# KiCad board processor.Z80.kicad_pcb (continued)
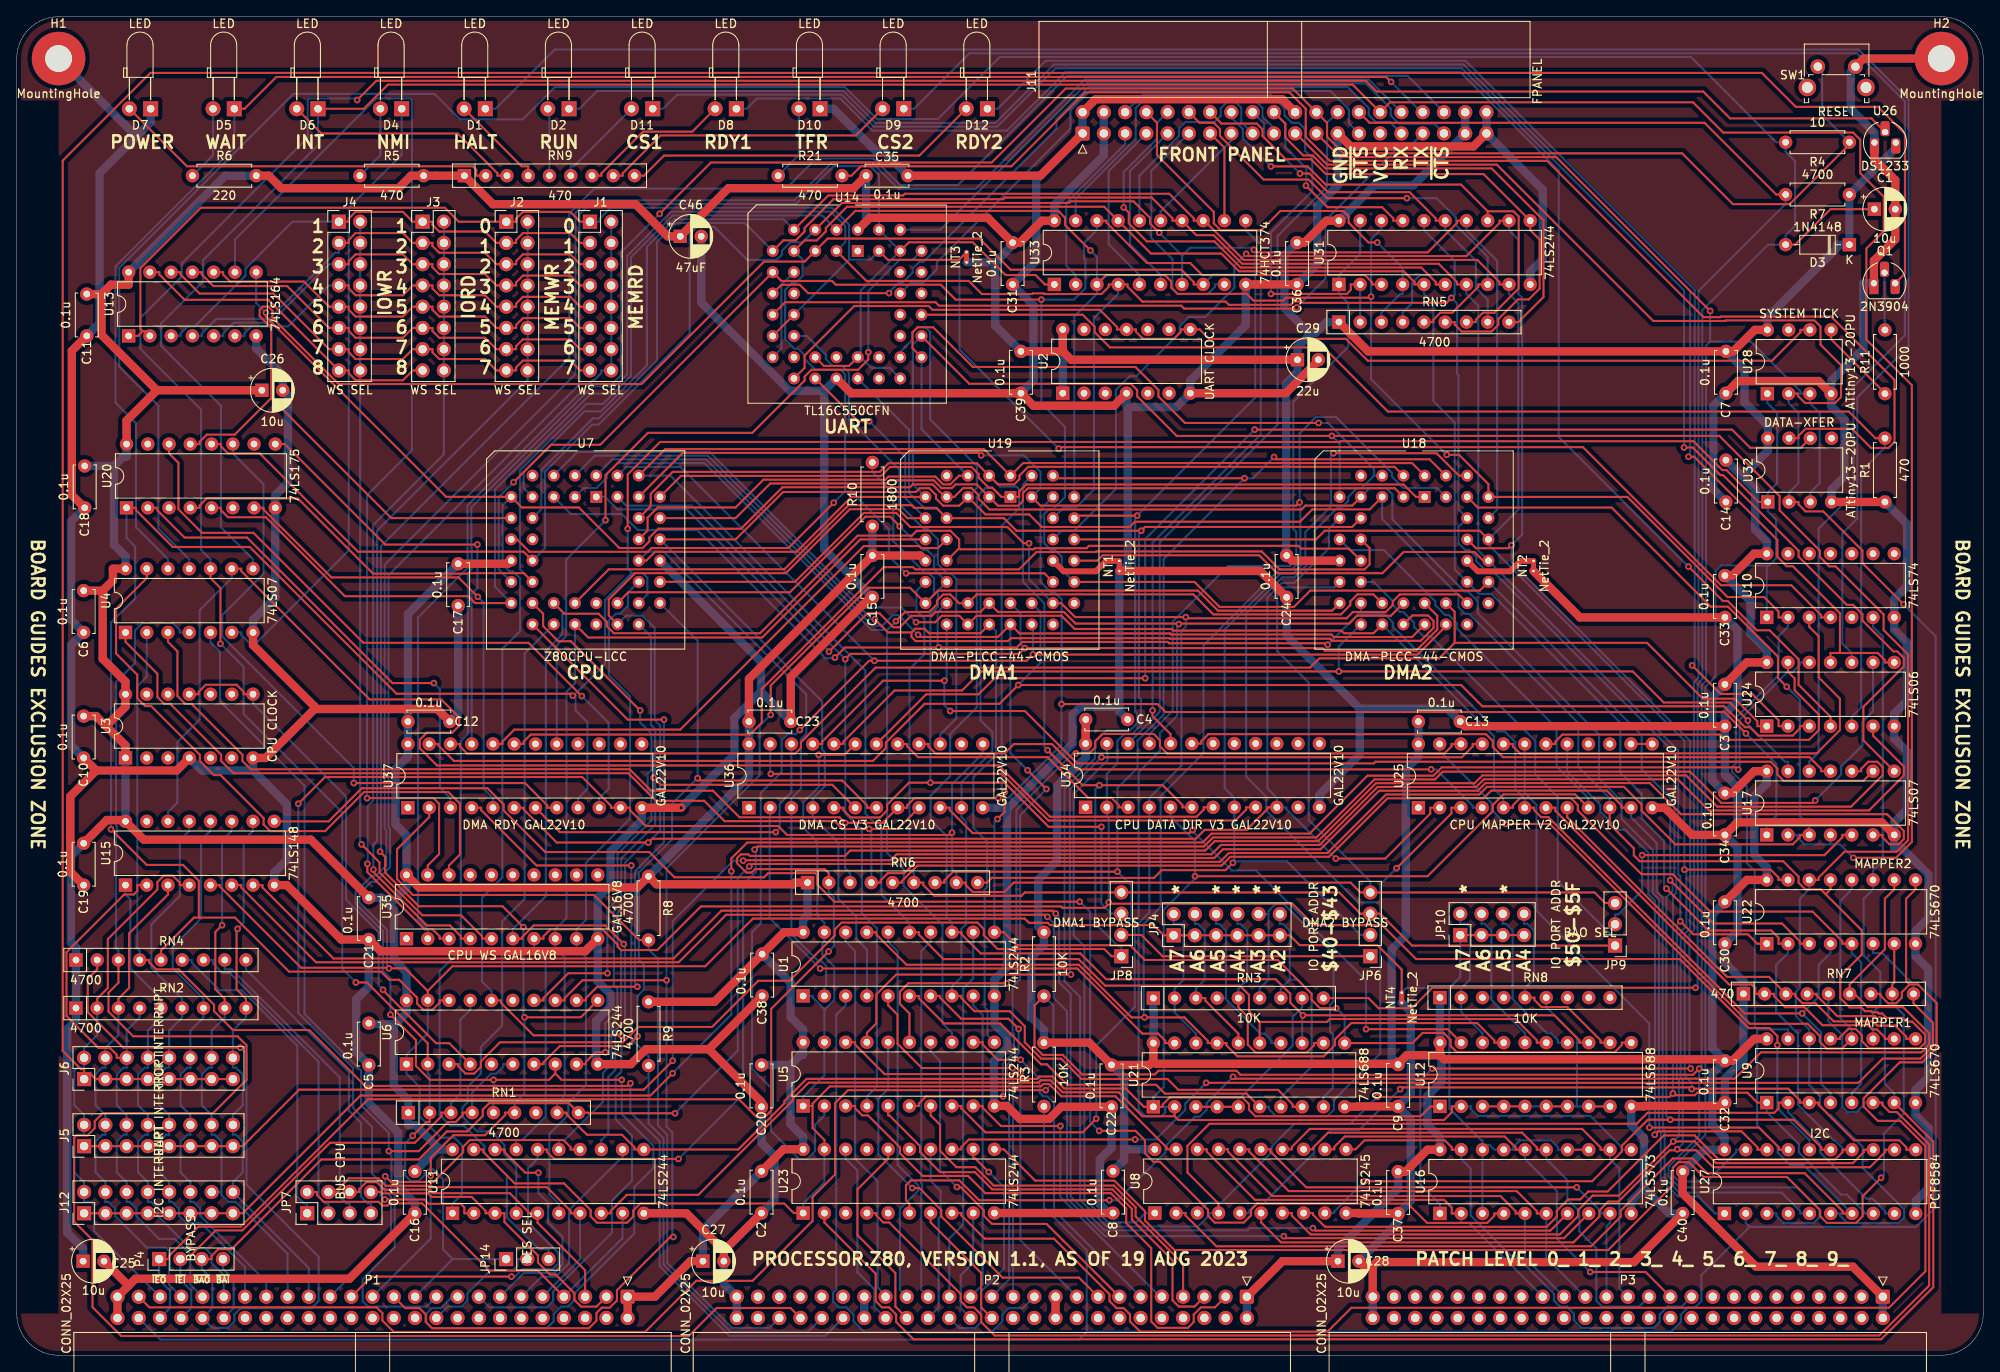
[diagram p0: board, top side]
## Nets (continued)
DMA-RDY2: U18.27 U24.1 U37.22
FP-LATCH-WR: U33.11 U34.20
I2C-SCL: J11.23 P1.47 R2.1 U27.3 U28.3 U32.3
I2C-SDA: J11.21 P1.48 R3.1 U27.2 U28.2 U32.2
IM2-S0: U15.9 U16.4
IM2-S1: U15.7 U16.7
IM2-S2: U15.6 U16.8
INT: R1.2 U14.33 U24.5
INT-I2C: U24.13 U25.18
IO-SEL: U34.3 U36.17
mA14: RN7.2 U9.10 U25.7
mA15: RN7.3 U9.9 U25.8
mA16: RN7.4 U9.7 U23.2
mA17: RN7.5 U9.6 U23.4
mA18: RN7.6 U22.10 U23.6
mA19: RN7.7 U22.9 U23.8
mA20: RN7.8 U22.7 U23.11
mA21: RN7.9 U22.6 U23.13
ONE: J1.1 J2.1 NT3.2 U10.4 U13.1 U13.2 U14.14 U14.15 U14.43
RAW-CLK: U3.8 U3.11 U6.4
RDY-Q0: U20.2 U37.3
RDY-Q1: U20.7 U37.5
READY: U4.13 U35.18
RESET: U14.39 U37.17
RX: J11.31 U14.11
SEL-A14: U5.15 U25.22
SEL-A15: U5.17 U25.21
TX: J11.33 U14.13
UART-CLK: U2.8 U2.11 U14.18 U28.6
WS-IORD: J3.2 J3.4 J3.6 J3.8 J3.10 J3.12 J3.14 J3.16 U35.3
WS-IOWR: J4.2 J4.4 J4.6 J4.8 J4.10 J4.12 J4.14 J4.16 U35.5
WS-MEMRD: J1.2 J1.4 J1.6 J1.8 J1.10 J1.12 J1.14 J1.16 U35.2
WS-MEMWR: J2.2 J2.4 J2.6 J2.8 J2.10 J2.12 J2.14 J2.16 U35.4
ZERO: JP4.1 JP4.3 JP4.5 JP4.7 JP4.9 JP4.11 JP10.1 JP10.3 JP10.5 JP10.7 NT4.2 U6.1 U6.19 U11.1 U14.21 U14.25 U14.28 U14.41 U14.42 U15.5 U16.3 U16.13 U16.14 U16.17 U16.18 U33.1
~{BAI}: P1.40 P4.4
~{BAO}: P1.42 P4.3 RN1.9 RN4.2 U17.6
~{BUS-EN}: U1.1 U1.19 U5.1 U5.19 U8.19 U11.19 U23.1 U23.19 U36.19
~{BUSACK}: P1.13 U11.18
~{BUSRQ}: P1.23 R10.2 U6.13 U18.17 U19.17
~{CE-DMA-RDY}: U36.22 U37.7
~{CPU-BUSACK}: JP8.3 U7.27 U19.16 U36.5
~{CPU-BUSRQ}: U6.7 U7.29 U36.7
~{CPU-HALT}: U7.20 U11.4
~{CPU-INT}: U6.12 U7.18
~{CPU-IORQ}: RN1.8 U7.22 U11.11 U12.1 U18.11 U19.11 U21.1 U25.9 U34.5 U35.8
~{CPU-M1}: U7.31 U11.8 U12.2 U16.11 U18.30 U19.30 U21.2 U34.4
~{CPU-MREQ}: U7.21 U11.13 U18.14 U19.14 U35.6
~{CPU-NMI}: U6.14 U7.19
~{CPU-RD}: U7.23 U11.17 U14.24 U18.10 U19.10 U27.16 U34.2 U35.7
~{CPU-RESET}: RN4.5 U6.18 U7.30 U10.1 U20.1 U27.19 U28.1 U32.1 U37.9
~{CPU-RFSH}: U7.32 U11.6 U35.9
~{CPU-WAIT}: U6.9 U7.28 U36.6
~{CPU-WR}: U7.26 U11.15 U14.20 U18.9 U19.9 U25.2 U34.10 U37.6
~{CS-I2C-WR}: U25.17 U27.18
~{CS-I2C}: U25.19 U27.17
~{CS-IO}: U12.19 U36.10
~{CS-MAP}: U25.4 U36.16
~{CS-UART}: U14.16 U36.15
~{CTS}: J11.35 U14.40
~{DMA-ADDR}: U21.19 U36.2
~{DMA-BAO1}: JP6.3 JP8.4 JP9.1 RN6.6 U18.16 U19.15
~{DMA-BAO2}: JP6.4 JP9.3 RN6.8 U11.2 U18.15 U36.13 U37.11
~{DMA-CS1}: U17.9 U19.18 U36.21
~{DMA-CS2}: U17.13 U18.18 U36.20
~{DMA-IEI1}: JP8.1 U6.3 U19.42 U34.6
~{DMA-IEO1}: JP6.1 JP8.2 RN6.7 U18.42 U19.40
~{DMA-IEO2}: JP6.2 RN6.9 U18.40 U34.8
~{DMA-INT-PULSE1}: RN6.3 U4.3 U17.1 U19.41 U36.8
~{DMA-INT-PULSE2}: RN6.4 U4.1 U17.3 U18.41 U36.9
~{DMA-RDY-WR}: U20.9 U37.21
~{DMA-RESET1}: U19.12 U37.20
~{DMA-RESET2}: U18.12 U37.19
~{DREQ0}: P2.46 R8.2 U37.2
~{DREQ1}: P2.42 R9.2 U37.4
~{EIRQ0}: J5.2 J6.2 J12.2 P1.45 RN2.2 U15.4
~{EIRQ1}: J5.4 J6.4 J12.4 P1.43 RN2.3 U15.3
~{EIRQ2}: J5.6 J6.6 J12.6 P1.41 RN2.4 U15.2
~{EIRQ3}: J5.8 J6.8 J12.8 P1.39 RN2.5 U15.1
~{EIRQ4}: J5.10 J6.10 J12.10 P1.37 RN2.6 U15.13
~{EIRQ5}: J5.12 J6.12 J12.12 P1.35 RN2.7 U15.12
~{EIRQ6}: J5.14 J6.14 J12.14 P1.33 RN2.8 U15.11
~{EIRQ7}: J5.16 J6.16 J12.16 P1.31 RN2.9 U15.10
~{EXT-RES}: J11.24 JP14.3 R4.1 SW1.1
~{FP-LATCH-RD}: U31.1 U31.19 U34.21
~{FP-LATCH}: U34.9 U36.23
~{HALT}: P1.27 U11.16 U24.9
~{IEI}: P1.44 P4.2 RN1.3 U6.17
~{IEO}: P1.46 P4.1 RN6.2 U17.10
~{IM2-EN-OE}: J11.28 R7.2 U16.1
~{IM2-EN}: J11.26 U34.22
~{IM2-IEO}: U17.11 U34.19
~{IM2-INT}: U4.9 U15.14 U34.7
~{INT0-EN}: D6.1 J11.30 U4.8 U17.2 U17.4
~{INT0}: J11.32 P1.17 RN1.5 U6.8
~{INT-I2C}: RN6.5 U25.11 U27.5
~{IORQ}: JP7.2 P1.7 U11.9
~{M1}: P1.11 U11.12
~{MREQ}: JP7.4 P1.9 U11.7
~{MR}: U13.9 U35.19
~{NMI}: P1.19 RN1.4 U4.5 U6.6
~{PAGE-EN}: U9.11 U10.6 U22.11
~{PAGE-WR}: U9.12 U22.12 U25.23
~{PGEN-WR}: U10.3 U25.20
~{RD}: JP7.8 P1.3 U11.3
~{RES-IN}: JP14.2 P1.20
~{RES-OUT}: JP14.1 P1.21 RN1.2 U4.10 U6.2 U26.2
~{RFSH}: P1.29 U11.14
~{RTS}: J11.27 U14.36
~{TEND0}: P2.44 RN4.3 U4.4
~{TEND1}: P2.40 RN4.4 U4.2
~{USR-RESET1}: U20.11 U37.8
~{USR-RESET2}: U20.14 U37.10
~{WAIT-EN}: D5.1 J11.34 U4.12
~{WAIT}: J11.36 P1.25 RN1.6 U6.11
~{WR}: JP7.6 P1.5 U11.5
Net-(D1-Pad1): D1.1 U24.10
Net-(D2-Pad1): D2.1 U24.8 U24.11
Net-(D4-Pad1): D4.1 U4.6
Net-(D4-Pad2): D4.2 R5.1
Net-(D5-Pad2): D5.2 R6.1
Net-(D8-Pad1): D8.1 U24.4
Net-(D9-Pad1): D9.1 U17.12
Net-(D10-Pad2): D10.2 R21.1
Net-(D11-Pad1): D11.1 U17.8
Net-(D12-Pad1): D12.1 U24.2
Net-(J5-Pad1): J5.1 J5.3 J5.5 J5.7 J5.9 J5.11 J5.13 J5.15 U24.6
Net-(J6-Pad1): J6.1 J6.3 J6.5 J6.7 J6.9 J6.11 J6.13 J6.15 Q1.3
Net-(J11-Pad5): J11.5 U33.2
Net-(J11-Pad7): J11.7 U33.5
Net-(J11-Pad9): J11.9 U33.6
Net-(J11-Pad11): J11.11 U33.9
Net-(J11-Pad13): J11.13 U33.12
Net-(J11-Pad15): J11.15 U33.15
Net-(J11-Pad17): J11.17 U33.16
Net-(J11-Pad19): J11.19 U33.19
Net-(J12-Pad1): J12.1 J12.3 J12.5 J12.7 J12.9 J12.11 J12.13 J12.15 U24.12
Net-(JP4-Pad2): JP4.2 RN3.2 U21.18
Net-(JP4-Pad4): JP4.4 RN3.3 U21.16
Net-(JP4-Pad6): JP4.6 RN3.4 U21.14
Net-(JP4-Pad8): JP4.8 RN3.5 U21.12
Net-(JP4-Pad10): JP4.10 RN3.6 U21.9
Net-(JP4-Pad12): JP4.12 RN3.7 U21.7
Net-(JP7-Pad1): JP7.1 RN4.6
Net-(JP7-Pad3): JP7.3 RN4.7
Net-(JP7-Pad5): JP7.5 RN4.8
Net-(JP7-Pad7): JP7.7 RN4.9
Net-(JP9-Pad2): JP9.2 U17.5
Net-(JP10-Pad2): JP10.2 RN8.2 U12.18
Net-(JP10-Pad4): JP10.4 RN8.3 U12.16
Net-(JP10-Pad6): JP10.6 RN8.4 U12.14
Net-(JP10-Pad8): JP10.8 RN8.5 U12.12
Net-(Q1-Pad2): Q1.2 R11.2
Net-(R11-Pad1): R11.1 U28.5
Net-(R21-Pad2): R21.2 U32.7
Net-(RN3-Pad8): RN3.8 U21.3 U21.4 U21.5
Net-(RN8-Pad6): RN8.6 U12.3 U12.4 U12.5 U12.6 U12.7 U12.8 U12.9
Net-(U14-Pad10): U14.10 U14.17

Pads without a net: J11 29; RN1 7; RN8 7 8 9; U2 2 3 5 6 9 10 12 13; U3 2 3 5 6 9 10 12 13; U6 5 15; U7 6 12 24 25; U10 5 8 9 10 11 12 13; U14 1 12 19 23 26 27 32 34 35 37 38; U15 15; U18 6 28 29; U19 6 28 29; U20 3 6 10 15; U23 3 5 15 17; U25 1 15 16; U27 4; U28 7; U32 5; U34 1 11 13 14 15 16 17 18; U35 1 11 12 13 14 15 16 17; U36 1 14; U37 1 13 14 15 16 18

## Via types
v1: diameter 0.8, hole 0.4, Top to Bottom, 213 vias

## Routing (per net, layer and track width the routed paths; a pad name or vN(x,y) marks a point on that pad's centre or on a via; arc(x,y) is an arc through that point)
+12V: length 2.5
  Top w1: P2.20 P2.19
-12V: length 2.5
  Bottom w1: P2.38 P2.37
/DMA/GND-DMA1: length 9
  Top w0.7: U19.34 125.1,93.71 128.94,93.71 130.18,94.95 NT1.2
/DMA/GND-DMA2: length 9
  Top w0.7: NT2.2 179.68,94.95 178.44,93.71 174.6,93.71 U18.34
GND: length 1537.2
  Top w1: NT2.1 186.8,88.2 C33.2 ; U14.22 99.72,115 C39.2 121.5,113.5 131.12,113.5 U2.4 ; 116.84,29.8 118.34,29.8 119.89,28.25 123.37,28.25 124.82,29.7 C22.2 ; U4.7 28.23,84.9 35.59,77.55 35.59,77.25 ; C32.2 203.73,29.8 194.49,29.8 194.44,29.75 U12.10 ; C7.2 205.7,116.45 215.32,116.45 U28.4 ; SW1.2 220.69,155 H2.1 ; C37.2 160.41,16.95 160.36,17 U8.10 ; C13.2 173.05,75.2 C3.2 ; C8.2 116.84,17 ; U37.12 v1(79.39,65.45) ; 9.5,69.9 6.4,66.81 6.4,57.79 C19.2 ; 9.5,69.9 C10.2 ; 9.5,69.9 19.11,69.9 20.62,71.4 ; P1.50 P1.49 13.36,8.32 ; U32.4 R1.1 ; 162.04,10.69 P3.49 ; 162.04,10.69 160.94,10.69 C28.2 ; 162.04,10.69 162.48,11.14 193.26,11.14 C40.2 ; NT1.1 148.6,93.75 C24.2 ; C18.2 6.58,102.84 6.58,120.06 C11.2 ; 84.5,12.5 80.03,16.97 U11.10 ; 84.5,12.5 C2.2 ; 84.5,12.5 C27.2 ; 82.7,36.58 C38.2 ; 82.7,36.58 75.17,36.58 73.39,34.8 U6.10 ; 82.7,36.58 89,30.28 C20.2 ; C12.2 50.25,77.25 35.59,77.25 ; 35.59,77.25 29.74,71.4 U3.7 ; C15.2 102,90.6 92.5,81.1 C23.2 ; 13.36,8.32 14.19,9.15 39.75,9.15 C16.2 ; 13.36,8.32 C25.2 ; C36.2 U33.10 ; U2.7 151.64,115 155.54,118.91 C29.2 ; U35.10 67.93,48.3 43.48,48.3 C21.2 38.78,49.7 32.28,56.2 U15.8 ; J11.22 151.22,150.14 128.92,150.14 J11.2 ; C9.2 160.24,29.75 160.19,29.7 U21.10 ; J11.25 159.4,144.5 174.08,144.5 J11.39 ; U26.1 222,142.95 224.48,140.46 C1.2 224.48,133.4 221.93,130.84 Q1.1 ; U25.12 196.94,65.45 200.19,62.2 C34.2 205.63,63.7 222.86,63.7 U17.7 ; C35.2 122.32,141 J11.1
  Bottom w1: C28.2 165.07,15.94 C37.2 166.58,18.45 166.58,28.25 C9.2 166.58,31.25 166.58,41.07 NT4.1 ; U14.22 96.5,115.3 ; 96.5,115.3 92.35,115.3 81.79,125.85 C46.2 ; 96.5,115.3 96.5,96.35 C15.2 ; P2.50 P2.49 84.5,8.54 C27.2 ; U32.4 216.87,103.5 218.4,105.03 218.4,111.87 216.82,113.45 U28.4 216.82,116.45 220.68,120.31 220.68,128.14 Q1.1 ; 194.45,19.96 192.94,18.45 U16.10 ; 194.45,19.96 197.46,16.95 C40.2 ; 194.45,19.96 194.45,26.01 192.94,27.52 U12.10 ; 160.5,77.29 160.5,71.83 155.66,67 U34.12 ; 160.5,77.29 151.75,86.04 C24.2 ; 160.5,77.29 170.96,77.29 C13.2 ; 88.93,79.32 85.76,76.16 85.76,71.82 v1(79.39,65.45) ; 88.93,79.32 C23.2 ; 88.93,79.32 88.93,82.93 U7.33 ; J11.40 J11.39 182.36,139.32 182.36,131 180.86,129.5 U31.10 ; J11.2 J11.1 121.82,140.51 121.82,130.82 C31.2 121.51,125.49 121.51,116.51 C39.2 ; C10.2 6.49,72.9 6.49,84.9 C6.2 6.49,87.91 6.49,99.67 C18.2 ; C2.2 90.55,18.55 90.55,23.83 89,25.38 C20.2 ; R1.1 225.9,99.35 225.9,91.95 224.37,90.41 U10.7 224.37,86.7 225.88,85.19 225.88,78.21 224.37,76.7 U24.7 224.37,73.7 225.87,72.19 225.87,65.21 224.37,63.7 U17.7 224.37,60.7 225.21,60.7 228.44,57.47 228.44,52.23 226.9,50.7 U22.8 226.9,47.7 228.41,46.2 228.41,33.2 226.9,31.7 U9.8 226.9,28.7 228.48,27.12 228.48,20 226.94,18.45 U27.10 ; U15.8 30.78,57.7 32.29,59.21 32.29,65.85 28.23,69.9 ; U4.7 28.23,87.9 30.9,90.57 U20.8 30.9,102.8 32.4,104.3 32.4,114.74 C26.2 31.79,117.17 28.61,120.35 U13.7 ; 14.3,145.7 16,147.4 D7.1 ; 14.3,145.7 9.9,141.3 9.9,123.38 C11.2 ; 14.3,145.7 H1.1 ; 118.25,65.2 126.18,73.12 126.18,76.57 127.14,77.52 131.75,77.52 ; 118.25,65.2 117.99,65.45 U36.12 ; 118.25,65.2 118.34,65.11 118.34,46.39 116.84,44.89 116.84,39.56 118.34,38.05 118.34,36.75 116.77,35.18 116.77,29.87 116.84,29.8 ; U33.10 146.86,123.12 140.24,116.5 U2.7 138.58,113.34 132.78,113.34 ; 132.78,113.34 132.78,94.53 131.99,93.75 NT1.1 131.75,77.52 ; 132.78,113.34 132.62,113.5 U2.4 ; C36.2 155.41,130.41 155.41,137.36 157.85,139.8 J11.25 ; 131.75,77.52 131.75,77 C4.2 ; C17.2 52.75,76.75 C12.2 ; D10.1 97.6,149 102.72,143.88 103.62,143.88 C35.2 ; C21.2 42.08,44.05 40.56,42.54 40.56,36.22 C5.2 42.08,30.14 45.59,26.62 45.59,20.17 47.58,18.18 C16.2 ; C7.2 202.75,113.5 202.75,103.5 C14.2 ; U37.12 74.69,63.95 70.97,60.23 70.97,56.22 69.44,54.69 U35.10 69.44,44.69 70.94,43.19 70.94,41.68 69.23,39.98 69.23,35 U6.10 ; U26.1 222,146.15 219.17,148.98 219.17,153.48 SW1.2 ; C33.2 205.63,86.7 205.63,78.18 204.12,76.67 C3.2 204.12,69.41 205.64,67.89 205.64,63.72 C34.2 205.63,60.7 205.63,50.7 C30.2 204.12,46.92 206.34,44.7 RN7.1 206.34,35.29 204.13,33.08 204.12,33.08 C32.2 ; P3.49 P3.50 ; 28.23,69.9 22.12,69.9 20.62,71.4 ; 28.23,69.9 U3.7 ; C22.2 130.82,24.8 129.43,23.4 129.43,18.06 130.49,17 C8.2
VCC: length 1289.1
  Top w1: C21.1 35.14,61.63 15.18,61.63 U15.16 12.84,63.98 10.77,63.98 C19.1 ; C29.1 126,119 125,120 ; 135.82,35.18 135.34,34.7 C22.1 128.16,37.37 R3.2 ; 135.82,35.18 U21.20 ; 135.82,35.18 136.17,34.84 165.07,34.84 165.07,34.83 ; U18.13 152.37,94.98 C24.1 ; U17.14 207.62,69.82 205,67.2 C34.1 ; C23.1 87.5,80.85 C15.1 107.97,95.6 U19.13 ; C35.1 100,139.5 85.04,139.5 C46.1 77.79,133.75 73.95,137.59 56.91,137.59 RN9.1 R5.2 47.12,141 45.62,139.5 31.62,139.5 30.12,141 R6.2 ; 10.27,91.4 C6.1 ; 10.27,91.4 11.49,92.62 11.49,94.02 U4.14 ; 10.27,91.4 10.27,83.25 12.99,80.52 U3.14 12.99,77.52 10.69,75.21 ; 170.07,35.87 166.11,35.87 165.07,34.83 ; 170.07,35.87 U12.20 ; 170.07,35.87 170.56,35.38 203.95,35.38 C32.1 205,35.2 207.62,37.82 U9.16 ; C40.1 199.07,19.36 207.85,10.59 219.41,10.59 P3.1 ; U31.20 156.5,135.62 153.88,133 C36.1 ; U13.14 13.37,127.97 11.25,127.97 10.13,126.85 ; R9.1 83.38,42.25 C38.1 91.69,50.57 U1.20 ; P1.2 P1.1 76.25,7 80.5,11.25 C27.1 ; RN6.1 93,56.5 92.8,56.3 76.45,56.3 R8.1 74.17,55.92 48.08,55.92 U35.20 ; C33.1 205,93.2 207.62,95.82 U10.14 ; C4.1 127.75,74.65 127.72,74.62 U34.24 ; U23.20 91.62,24.62 C2.1 ; U24.14 206.75,82.82 C3.1 ; U28.8 207.7,122.57 205.13,120 C7.1 161.5,120 RN5.1 ; 10.69,75.21 12.99,72.9 U3.1 ; 10.69,75.21 9.5,76.4 C10.1 ; U2.14 125,120 ; 10.13,126.85 10.13,121.96 16.75,115.35 ; 10.13,126.85 C11.1 ; 16.75,115.35 13.12,111.72 U20.16 ; 16.75,115.35 C26.1 ; U14.44 101.93,135.97 116.03,135.97 C31.1 119.88,133 122.5,135.62 U33.20 ; U7.13 58.71,94.61 C17.1 ; C30.1 206.75,56.82 U22.16 ; 125,120 C39.1 ; C37.1 165.95,21.95 168.57,24.57 U16.20 ; C28.1 151.25,11.25 P2.1 ; 165.07,34.83 C9.1
  Bottom w1: U14.44 101.5,135.54 C35.1 ; C15.1 R10.1 ; 154.42,122.22 155.22,122.22 156.5,123.5 RN5.1 ; 154.42,122.22 151.49,125.15 151.49,131.49 C36.1 ; 154.42,122.22 154.42,121.87 153.04,120.5 C29.1 153.04,117.5 151.69,116.15 151.69,95.66 C24.1 ; C19.1 6.47,59.68 6.47,49.35 7.08,48.75 RN4.1 7.08,43.01 7.07,43 RN2.1 7.07,40 6.04,38.97 6.04,14.64 7.93,12.75 C25.1 ; U1.20 93.97,52.07 94.5,52.6 RN6.1 ; R6.2 24.9,141 U13.14 ; 132.33,24.62 U8.20 ; 132.33,24.62 132.33,23.33 C8.1 ; 132.33,24.62 132.33,33.19 C22.1 ; C38.1 92.47,44.55 92.47,40.42 93.97,38.92 U5.20 93.97,35.92 93.68,35.92 92.46,34.7 ; 206.19,105.06 207.75,103.5 207.75,98.7 209.12,97.32 U10.14 ; 206.19,105.06 209.25,108.12 U32.8 209.25,111.12 206.46,113.91 206.46,117.79 C7.1 ; 206.19,105.06 C14.1 ; C3.1 202.62,78.7 202.62,68.7 C34.1 ; C2.1 82,15 C27.1 ; NT3.1 116.93,130.65 ; 116.93,130.65 119,132.72 C31.1 ; 116.93,130.65 116.93,123.07 C39.1 ; 45.06,39.57 45.06,32.24 46.8,30.5 RN1.1 46.8,27.5 47.67,27.5 50.38,24.78 ; 45.06,39.57 45.23,39.57 46.58,40.92 U6.20 46.58,45.77 45.07,47.27 45.07,53.31 44.52,53.87 ; 45.06,39.57 42.2,39.57 C5.1 ; C30.1 202.62,52.7 202.62,36.7 C32.1 202.62,33.7 202.62,27.52 204.07,26.07 U27.20 201.69,24.57 C40.1 ; C18.1 11.62,106.3 ; 11.62,106.3 11.62,96.9 12.99,95.52 U4.14 ; 11.62,106.3 12.74,107.42 13.12,107.42 U20.16 ; 44.52,53.87 46.58,55.92 U35.20 46.58,62.16 45.25,63.48 45.25,70.07 46.75,71.57 U37.24 C12.1 46.75,88.61 C17.1 ; 44.52,53.87 43.69,54.7 C21.1 ; U3.1 U15.16 ; U21.20 135.82,38.82 135.88,38.88 135.88,41.14 135.82,41.2 RN3.1 ; C13.1 U25.24 167.5,71.57 166,70.07 166,50.21 164.3,48.51 164.3,35.53 C9.1 ; 50.38,24.78 50.57,24.59 U11.20 ; 50.38,24.78 C16.1 ; C23.1 U36.24 87.5,69.25 R8.1 ; R3.2 122.75,38.87 121.25,40.37 121.25,47.56 122.75,49.06 R2.2 122.07,51.24 122.07,56.84 124.32,59.1 124.32,68.04 127.72,71.44 U34.24 ; U28.8 209.2,124.07 217.5,132.37 217.5,132.75 D3.1 R7.1 224.54,144.29 U26.3 ; U31.20 162.22,139.84 166.88,139.84 J11.37 J11.38 ; U33.20 124,137.5 129.91,143.41 J11.3 J11.4 ; U23.20 93.97,26.12 92.46,27.63 92.46,34.7 ; RN8.1 U12.20 170.07,35.87 170.26,35.68 170.26,32.68 168.57,31 168.57,27.57 170.07,26.07 U16.20 ; C33.1 207.18,90.14 207.18,86.26 209.12,84.32 U24.14 ; U22.16 209.12,58.32 207.62,59.82 207.62,66.82 209.12,68.32 U17.14 ; 92.46,34.7 C20.1 ; P2.2 P2.1 ; C28.1 157.88,12.75 165.07,19.94 C37.1 ; P3.2 P3.1 ; U2.14 U2.1
10KA: length 425
  Top w0.25: C1.1 216.76,137 212.51,132.75 D3.2 ; RN3.9 161.53,42.7 162.75,41.48 166.72,41.48 169.17,43.93 v1(200.62,43.93)
  Bottom w0.25: 20.62,94.02 20.62,95.15 16.93,98.83 16.93,113.5 12.24,118.18 12.24,129.96 33.06,150.78 49.93,150.78 52.97,147.74 60.46,147.74 64.31,151.58 98.97,151.58 102.79,147.76 110.06,147.76 117.48,155.19 200.07,155.19 210.25,145 R4.2 211.38,143.87 212.51,142.75 212.51,135 211.38,133.88 D3.2 209.26,132.75 201.42,124.91 201.42,80.81 200.88,80.27 200.88,58.75 200.91,58.72 200.91,57.38 200.88,57.35 200.88,44.19 v1(200.62,43.93)
470A: length 46.3
  Top w0.25: RN9.2 54.91,141 54.91,141.7 54.49,142.13 20.33,142.13 D7.2
470B: length 28.6
  Top w0.25: RN9.3 57.45,141 57.45,141.28 52.69,146.04 36.42,146.04 D6.2
470C: length 11.6
  Top w0.25: D1.2 60.33,142.13 61.12,142.13 RN9.4
470D: length 8.1
  Bottom w0.25: D2.2 63.66,148.8 RN9.5
470E: length 11.2
  Bottom w0.25: RN9.6 66.2,142.13 66.59,142.13 D11.2
470F: length 18.2
  Top w0.25: D8.2 80.72,146.26 74.85,146.26 69.87,141.28 69.87,141 RN9.7
470G: length 35.7
  Top w0.25: RN9.8 72.41,141 72.41,141.28 76.94,145.81 100.27,145.81 D9.2
470H: length 43
  Top w0.25: D12.2 107.86,143.4 77.34,143.4 74.95,141 RN9.9
/fpanel/FP-D0: length 62.7
  Top w0.25: v1(149.88,126.87) 158.95,126.87 159.41,127.33 159.41,128 U31.2
  Bottom w0.25: RN5.2 U31.2 ; v1(149.88,126.87) 149.88,134.22 154.81,139.15 154.81,143.12 153.95,143.98 153.95,146.58 153.2,147.32 152.37,147.32 151.5,148.2 151.5,149.04 149.86,150.69 134.54,150.69 J11.6
/fpanel/FP-D1: length 51.5
  Top w0.25: J11.8 136.26,147.32 136.26,143.46 143.05,136.67 143.05,135.3 143.88,134.47 148.69,134.47 151.01,136.78 158.51,136.78 159.16,136.13 159.16,135.39 161.54,133.01 v1(162.58,133.01)
  Bottom w0.25: v1(162.58,133.01) 165.62,129.97 U31.4 165.62,126.87 165.33,126.87 163.08,124.63 RN5.3
/fpanel/FP-D2: length 66.9
  Top w0.25: v1(132.28,137.2) 132.89,136.59 132.89,135.3 135.04,133.15 143.13,133.15 146.25,130.03 167.83,130.03 169.57,128.28 169.57,128 U31.6
  Bottom w0.25: v1(132.28,137.2) 132.28,141.44 136.26,145.42 136.26,147.32 J11.10 ; RN5.4 165.62,124.63 166.75,125.75 166.75,128.19 167.7,129.14 168.72,129.14 169.57,128.28 169.57,128 U31.6
/fpanel/FP-D3: length 57
  Top w0.25: U31.8 174.65,128 174.65,127.72 171.56,124.63 170.13,124.63 169.29,123.78 169.29,123.5 RN5.5 ; v1(166.12,138.31) 156.59,138.31 154.37,140.53 149,140.53 143.79,145.75 143.79,146.58 143.04,147.32 141.34,147.32 J11.12
  Bottom w0.25: U31.8 175.78,131.28 171.97,135.09 171.97,136.02 169.68,138.31 v1(166.12,138.31)
/fpanel/FP-D4: length 67.1
  Top w0.25: J11.14 143.97,147.23 148.18,147.23 148.87,146.54 148.87,145.75 151.63,142.98 154.66,142.98 156.44,141.19 175.29,141.19 U31.11 180.86,134.49 181.99,133.37 181.99,127.5 180.69,126.21 179.4,126.21 177.05,123.86 177.05,123.18 176.24,122.37 172.67,122.37 171.83,123.22 171.83,123.5 RN5.6
/fpanel/FP-D5: length 58.3
  Top w0.25: v1(149.87,142.11) 154.25,142.11 156.43,139.93 172.59,139.93 175.78,136.75 ; 175.78,136.75 178.85,136.75 179.48,136.12 179.48,127.52 176.59,124.63 175.21,124.63 174.37,123.78 174.37,123.5 RN5.7 ; 175.78,136.75 U31.13
  Bottom w0.25: v1(149.87,142.11) 146.51,145.47 146.51,146.58 145.15,147.94 J11.16
/fpanel/FP-D6: length 43.8
  Top w0.25: v1(153.35,141.26) 154.46,141.26 156.69,139.03 166.44,139.03 169.57,135.9 169.57,135.62 U31.15
  Bottom w0.25: v1(153.35,141.26) 149.05,145.56 149.05,147.23 J11.18 ; RN5.8 175.78,126.18 174.37,127.6 174.37,130.83 170.7,134.49 U31.15
/fpanel/FP-D7: length 77
  Top w0.25: RN5.9 179.45,123.5 182.45,126.5 182.45,135.67 176.25,141.87 156.4,141.87 154.85,143.43 153.73,143.43 151.59,145.57 151.59,147.23 J11.20 ; U31.17 164.49,135.62 164.49,135.9 163.16,137.23 156.64,137.23 v1(154.07,139.81)
  Bottom w0.25: J11.20 151.59,147.23 151.59,144.38 154.12,141.86 154.12,139.86 v1(154.07,139.81)
/mapper/~{A}: length 2.5
  Top w0.25: U25.14 U25.13
/waitstate/1WS: length 60
  Top w0.25: J1.3 67.32,132.96 66.15,134.14 60.48,134.14 59.68,133.33 59.68,132.96 J2.3 57.32,132.96 55.96,134.32 50.48,134.32 49.68,135.13 49.68,135.5 J3.1 47.32,135.5 46.15,136.68 40.48,136.68 39.68,135.87 39.68,135.5 J4.1
  Bottom w0.25: J4.1 32.97,135.5 27.34,129.87 27.34,129.07 21.25,122.98 20.42,122.98 19.58,122.13 19.58,121.85 U13.3
/waitstate/2WS: length 56.6
  Top w0.25: J1.5 67.32,130.42 66.15,131.6 60.48,131.6 59.68,130.79 59.68,130.42 J2.5 57.32,130.42 55.96,131.78 50.48,131.78 49.68,132.59 49.68,132.96 J3.3 47.32,132.96 46.15,134.14 40.48,134.14 39.68,133.33 39.68,132.96 J4.3
  Bottom w0.25: J4.3 38.5,131.78 38.05,131.78 30.15,123.89 23.87,123.89 22.12,122.13 22.12,121.85 U13.4
/waitstate/3WS: length 52.3
  Top w0.25: J4.5 39.68,130.42 39.68,130.79 40.48,131.6 46.15,131.6 47.32,130.42 J3.5 49.68,130.42 49.68,130.05 50.48,129.24 55.96,129.24 57.32,127.88 J2.7 59.68,127.88 59.68,128.25 60.48,129.06 66.15,129.06 67.32,127.88 J1.7
  Bottom w0.25: J4.5 37.32,130.42 30.33,123.43 25.95,123.43 24.66,122.13 24.66,121.85 U13.5
/waitstate/4WS: length 48.7
  Top w0.25: J1.9 67.32,125.34 66.15,126.52 60.48,126.52 59.68,125.71 59.68,125.34 J2.9 57.32,125.34 55.96,126.7 50.48,126.7 49.68,127.51 49.68,127.88 J3.7 47.32,127.88 46.15,126.7 40.48,126.7 39.68,127.51 39.68,127.88 J4.7
  Bottom w0.25: J4.7 37.32,127.88 32.42,122.98 28.04,122.98 27.2,122.13 27.2,121.85 U13.6
/waitstate/5WS: length 50.5
  Top w0.25: U13.10 24.66,129.47 24.66,129.19 25.5,128.34 34.32,128.34 37.32,125.34 J4.9 39.68,125.34 39.68,124.97 40.48,124.16 46.15,124.16 47.32,125.34 J3.9 49.68,125.34 49.68,124.97 50.48,124.16 55.96,124.16 57.32,122.8 J2.11 59.68,122.8 59.68,123.17 60.48,123.98 66.15,123.98 67.32,122.8 J1.11
/waitstate/6WS: length 54.1
  Top w0.25: J1.13 67.32,120.26 66.15,121.44 60.48,121.44 59.68,120.63 59.68,120.26 J2.13 57.32,120.26 55.96,121.62 50.48,121.62 49.68,122.43 49.68,122.8 J3.11 47.32,122.8 46.15,121.62 40.48,121.62 39.68,122.43 39.68,122.8 J4.11 37.32,122.8 32.32,127.81 23.5,127.81 22.12,129.19 22.12,129.47 U13.11
/waitstate/7WS: length 57.7
  Top w0.25: J1.15 67.32,117.72 66.15,118.9 60.48,118.9 59.68,118.09 59.68,117.72 J2.15 57.32,117.72 55.96,119.08 50.48,119.08 49.68,119.89 49.68,120.26 J3.13 47.32,120.26 46.15,119.08 40.48,119.08 39.68,119.89 39.68,120.26 J4.13 37.32,120.26 30.68,126.91 21.85,126.91 19.58,129.19 19.58,129.47 U13.12
/waitstate/8WS: length 38.8
  Top w0.25: U13.13 17.04,129.47 17.04,129.19 20.06,126.16 30.06,126.16 J4.15 39.68,117.72 39.68,117.37 40.5,116.54 46.15,116.54 47.32,117.72 J3.15
A0: length 45.5
  Bottom w0.25: U1.18 99.06,49.44 100.18,48.32 100.18,23.5 102.87,20.81 102.87,8.14 103.82,7.18 P2.35
A1: length 46.3
  Bottom w0.25: U1.16 104.13,49.44 105.26,48.32 105.26,22.77 107.74,20.29 107.74,19.69 105.55,17.5 105.55,7.81 P2.33
A2: length 44.5
  Bottom w0.25: P2.31 108.09,7.81 108.09,19.4 108.19,19.5 108.19,20.47 108.09,20.57 108.09,48.32 109.22,49.44 U1.14
A3: length 44.8
  Bottom w0.25: P2.29 111.44,13.96 113.1,15.61 113.1,43.84 114.29,45.04 U1.12
A4: length 37
  Bottom w0.25: U1.9 114.29,41.82 115.42,40.7 115.42,8.44 P2.27
A5: length 45.9
  Top w0.25: U1.7 110.34,42.95 110.34,42.75 112.86,40.23 118.51,40.23 v1(119.73,39.01)
  Bottom w0.25: P2.25 118.6,9.08 118.6,33.31 118.29,33.61 118.29,34.68 119.73,36.12 v1(119.73,39.01)
A6: length 48.5
  Top w0.25: U1.5 104.13,41.82 105.26,40.7 105.26,37.23 108.16,34.33 v1(119.01,34.33)
  Bottom w0.25: P2.23 119.06,34.29 v1(119.01,34.33)
A7: length 65.4
  Bottom w0.25: P2.21 120.24,5.64 118.53,5.64 117.79,4.89 117.79,4.07 116.52,2.79 101.27,2.79 100,4.07 100,4.87 99.13,5.73 98.25,5.73 97.56,6.42 97.56,7.48 97.93,7.85 97.93,40.7 99.06,41.82 U1.3
A8: length 52.3
  Top w0.25: U5.18 100.18,37.42 100.18,37.14 103.71,33.61 119.78,33.61 v1(119.94,33.77)
  Bottom w0.25: v1(119.94,33.77) 119.94,13.74 P2.17
A9: length 47.6
  Top w0.25: v1(107.01,19.99) 107.86,19.99 110.49,17.36 110.49,16.6 117.81,9.28 126.94,9.28 P2.15
  Bottom w0.25: v1(107.01,19.99) 102.96,24.05 102.96,30.65 104.13,31.83 U5.16
A10: length 43.8
  Top w0.25: P2.13 123.06,15.7 116.54,15.7 115.56,16.67 115.56,17.34 112.79,20.11 v1(112.35,20.11)
  Bottom w0.25: v1(112.35,20.11) 110.34,22.13 110.34,35.17 109.22,36.29 U5.14
A11: length 41.2
  Top w0.25: U5.12 115.42,37.42 115.42,37.14 117.24,35.32 v1(119.96,35.32)
  Bottom w0.25: P2.11 123.96,17.34 123.96,30.13 123.15,30.95 122.69,30.95 122.24,31.39 122.24,33.04 v1(119.96,35.32)
A12: length 37.1
  Top w0.25: U5.9 115.42,29.8 115.42,29.6 117.61,27.41 v1(124.72,27.41)
  Bottom w0.25: P2.9 136.63,7 124.72,18.92 v1(124.72,27.41)
A13: length 45
  Top w0.25: P2.7 139.38,10.92 133.71,16.59 133.71,17.69 131.12,20.28 116.75,20.28 114.55,22.48 112.3,22.48 110.34,24.44 110.34,27.55 109.22,28.67 U5.7
A14: length 52.8
  Top w0.25: U5.5 104.13,28.67 104.28,28.67 107.94,25.01 107.94,24.29 110.35,21.89 114.51,21.89 116.56,19.83 130.93,19.83 133.26,17.51 133.26,16.22 138.11,11.36 138.11,6.57 138.85,5.82 140.74,5.82 P2.5
A15: length 65.2
  Top w0.25: P2.3 143.19,5.73 141.51,5.73 140.65,4.87 140.65,3.97 139.95,3.28 136.33,3.28 135.57,4.04 135.57,12.82 132.58,15.81 132.58,17.54 130.74,19.38 115.74,19.38 113.69,21.44 108.26,21.44 105.55,24.14 105.55,24.85 101.72,28.67 101.02,28.67 100.18,29.52 100.18,29.8 U5.3
A16: length 22.1
  Bottom w0.25: U23.18 99.06,23.49 100.45,22.1 100.45,9.92 102.49,7.88 102.49,5.79 P2.36
A17: length 24.1
  Top w0.25: P2.34 105,5.82 105,9.83 100.47,14.35 100.47,19.83 104.13,23.49 U23.16
A18: length 21.3
  Bottom w0.25: P2.32 110.17,5.73 110.17,16.36 110.4,16.59 110.4,19.65 109.22,20.83 U23.14
A19: length 28.1
  Top w0.25: v1(116.15,21.91) 114.56,23.49 114.29,23.49 U23.12
  Bottom w0.25: v1(116.15,21.91) 117.98,20.08 117.98,10.36 115.25,7.63 115.25,3.98 114.51,3.25 112.65,3.25 P2.30
A20: length 13.7
  Bottom w0.25: P2.28 112.79,5.65 112.79,9.54 114.29,11.05 U23.9
A21: length 15.6
  Top w0.25: P2.26 115.25,5.73 115.25,9.84 109.22,15.87 U23.7
CLK: length 391.7
  Top w0.25: U6.16 57.86,42.42 57.86,42.14 61.76,38.24 v1(72.25,38.24) ; U18.8 159.59,101.56 154,101.56 153.53,101.1 116.24,101.1 114.94,102.39 114.94,102.81 114.1,103.65 113.08,103.65 112.03,102.6 U19.8 110.93,102.6 109.44,104.09 107.09,104.09 106.75,103.76 91.51,103.76 86.55,98.8 76.66,98.8 75.6,97.74 75.6,97.3 74.79,96.49 72.02,96.49 67.17,101.34 60.36,101.34 U7.7 51.31,102.61 29.77,124.15 v1(29.77,124.62)
  Bottom w0.25: U7.7 58.05,101.57 58.05,94.55 58.88,93.72 59.3,93.72 60.14,92.88 60.14,86.56 58.04,84.45 58.04,57.13 55.61,54.7 55.61,44.67 56.73,43.55 U6.16 ; v1(29.77,124.62) 28.61,125.78 U13.8 ; U18.8 161.7,103.67 163.62,103.67 164.39,102.9 164.39,99.91 172.99,91.31 173.41,91.31 174.6,90.12 174.6,88.69 189.09,74.2 189.09,68.93 191.77,66.25 191.77,64.12 195.51,60.38 195.51,55.24 196.23,54.52 196.23,28.06 196.28,28.01 196.28,26.85 196.46,26.66 196.46,21.03 198.49,19 200.9,19 202.95,16.95 U27.1 ; P1.15 56.49,5.73 63.33,5.73 64.1,6.5 64.1,7.63 71.12,14.65 71.12,18.47 73.52,20.87 73.52,26.24 71.56,28.2 71.56,33.21 72.25,33.9 v1(72.25,38.24)
CPU-A0: length 360.6
  Top w0.25: U19.7 99.74,102.6 93.18,96.04 76.28,96.04 75.23,94.99 U7.34 ; U14.31 113.83,116.13 133.14,116.13 133.89,115.38 133.89,114.63 138.62,109.9 v1(157.16,109.9) 203.47,109.9 210.66,102.7 210.66,101 215.47,96.19 215.47,95.43 216.6,94.3 217.34,94.3 223.1,88.55 223.1,86.68 226.01,83.76 226.01,61.56 224.64,60.19 218.42,60.19 215.33,57.1 215.33,56.82 U22.14
  Bottom w0.25: U22.14 214.21,55.69 213.08,54.57 213.08,43.91 212.62,43.45 212.62,40.53 214.21,38.95 U9.14 214.21,32.29 215.47,31.02 215.47,29.87 216.64,28.7 216.81,28.7 220.59,24.93 220.59,22.39 225.54,17.44 225.54,16.47 224.88,15.8 218.77,15.8 217.9,16.67 217.9,16.95 216.78,16.95 ; v1(157.16,109.9) 158.09,108.97 U18.7 ; U1.2 96.51,44.08 96.73,44.29 96.73,46.52 96.19,47.07 95.82,47.07 92.58,50.31 U36.3 92.58,66.58 93.71,67.7 93.71,73.61 94.34,74.25 94.34,79.01 77.29,96.06 75.4,96.06 U7.34 ; U19.7 107.08,104.11 107.08,120.8 U14.31
CPU-A1: length 312.6
  Top w0.25: U9.13 217.87,37.82 217.87,38 218.87,39 219.76,39 220.51,38.25 220.51,37.54 221.35,36.69 227.39,36.69 228.05,37.35 228.05,38.34 226.51,39.88 225.87,39.88 225.42,40.33 223.45,40.33 222.92,40.85 222.53,40.85 222.4,40.99 221.76,40.99 221.62,41.12 220.86,41.12 220.41,41.57 219.02,41.57 217.91,42.68 217.91,45.34 220.48,47.9 220.48,50.8 216.16,55.11 ; U7.35 85.92,97.53 91.58,103.19 107.46,103.19 107.91,103.64 109.04,103.64 109.86,102.82 109.86,102.4 110.71,101.55 112.62,101.55 U19.5 115.76,100.51 120.98,100.51 122.48,99.01 132.99,99.01 133.61,99.64 153.34,99.64 154.82,101.11 161.68,101.11 U18.5 ; 216.16,55.11 216.75,55.69 U22.13 ; 216.16,55.11 215.6,55.68 213.74,55.68 212.94,56.48 212.94,57.21 211.09,59.06 193.94,59.06 193.24,59.75 193.24,60.6 190.36,63.48 U25.10
  Bottom w0.25: U14.30 105.58,119.94 107,121.36 107,122.19 107.73,122.92 108.58,122.92 109.16,122.34 109.16,111.85 114.73,106.28 114.73,103.66 U19.5 ; U25.10 190.36,66.58 186.6,70.33 186.6,75.56 173.54,88.63 173.08,88.63 172.29,89.42 172.29,90.84 163.17,99.97 U18.5 ; U7.35 96.25,78.15 96.25,72.39 96.56,72.07 96.56,68.02 95.12,66.58 U36.4 95.12,64.32 98.18,61.26 98.18,54.56 100.32,52.42 100.32,49.75 101.59,48.48 U1.4
CPU-A2: length 296
  Top w0.25: U25.3 171.45,65.45 171.45,64.79 v1(164.89,58.23) ; 106.68,42.95 107.8,42.95 107.8,42.67 110.81,39.66 117.52,39.66 122.41,34.78 123.1,34.78 125.55,32.33 136.15,32.33 137.21,31.28 146.95,31.28 U21.6 ; U7.36 75.38,98.58 75.38,100.12 76.61,101.34 85.91,101.34 89.23,104.66 103.8,104.66 104.17,105.03 109.77,105.03 110.7,104.1 111.56,104.1 112.6,105.14 U19.4 ; v1(155.57,111.44) 139.6,111.44 136.43,114.61 136.43,115.39 133.68,118.13 114.26,118.13 109.51,122.88 107.64,122.88 107.05,122.29 107.05,120.37 U14.29
  Bottom w0.25: 162.2,105.14 160.7,103.64 160.15,103.64 159.13,102.62 159.13,102.12 158.34,101.33 157.86,101.33 155.08,98.55 155.08,95.39 152.68,92.99 151.23,92.99 146.92,88.68 146.92,69.16 149.31,66.77 149.31,65.13 160.31,54.13 162.94,54.13 ; 162.2,105.14 162.2,105.93 156.7,111.43 155.58,111.43 v1(155.57,111.44) ; 162.2,105.14 U18.4 ; U21.6 149.65,29.7 149.65,29.42 150.49,28.57 156.61,28.57 157.41,29.38 157.41,30.53 162.94,36.06 162.94,54.13 ; U14.29 108.12,110.69 U19.4 ; v1(164.89,58.23) 162.94,56.27 162.94,54.13
CPU-A3: length 206.1
  Top w0.25: U18.3 164.67,103.64 120.82,103.64 120.24,103.05 120.24,102.1 119.68,101.55 117.26,101.55 U19.3 114.71,104.1 112.2,104.1 111.75,103.65 110.51,103.65 109.58,104.58 104.35,104.58 103.98,104.21 90.05,104.21 85.91,100.07 U7.37 ; U21.8 152.48,29.7 152.48,29.98 150.73,31.73 138.82,31.73 137.52,33.02 127.24,33.02 124.81,35.45 122.43,35.45 120.46,37.42 120.46,39.33 118.66,41.13 114.45,41.13 112.88,42.69 112.88,42.95 U1.8
  Bottom w0.25: U1.8 111.75,44.08 112.88,45.2 112.88,50.96 113.45,51.53 113.45,63.77 112.9,64.32 U36.11 112.9,68.51 116.58,72.19 116.58,74.5 115.17,75.91 115.17,101.56 U19.3
CPU-A4: length 242.6
  Top w0.25: 116.84,50.57 117.96,50.57 119.52,49.01 133.04,49.01 134.8,47.25 150.7,47.25 154.73,43.22 154.73,42.5 155.75,41.49 v1(157.68,41.49) ; v1(118.04,67.33) 118.04,64.94 v1(117.2,64.1) ; U18.2 164.65,106.2 120.87,106.2 119.82,105.14 119.82,104.73 119.18,104.09 117.26,104.09 U19.2 114.72,106.63 104.17,106.63 103.14,105.59 78.39,105.59 75.76,102.97 75.76,101.5 U7.38 ; U12.11 191.81,37.37 191.81,37.09 190.97,36.24 172.07,36.24 171.34,36.97 171.34,37.69 170.51,38.53 168,38.53 166.79,37.32 U21.11
  Bottom w0.25: v1(118.04,67.33) 117.7,67.67 117.7,99.16 119.79,101.24 119.79,103.51 119.47,103.82 117.53,103.82 U19.2 ; U21.11 158.69,40.48 v1(157.68,41.49) ; v1(117.2,64.1) 116.84,63.73 116.84,50.57
